# KiCad board mist.kicad_pcb (continued)
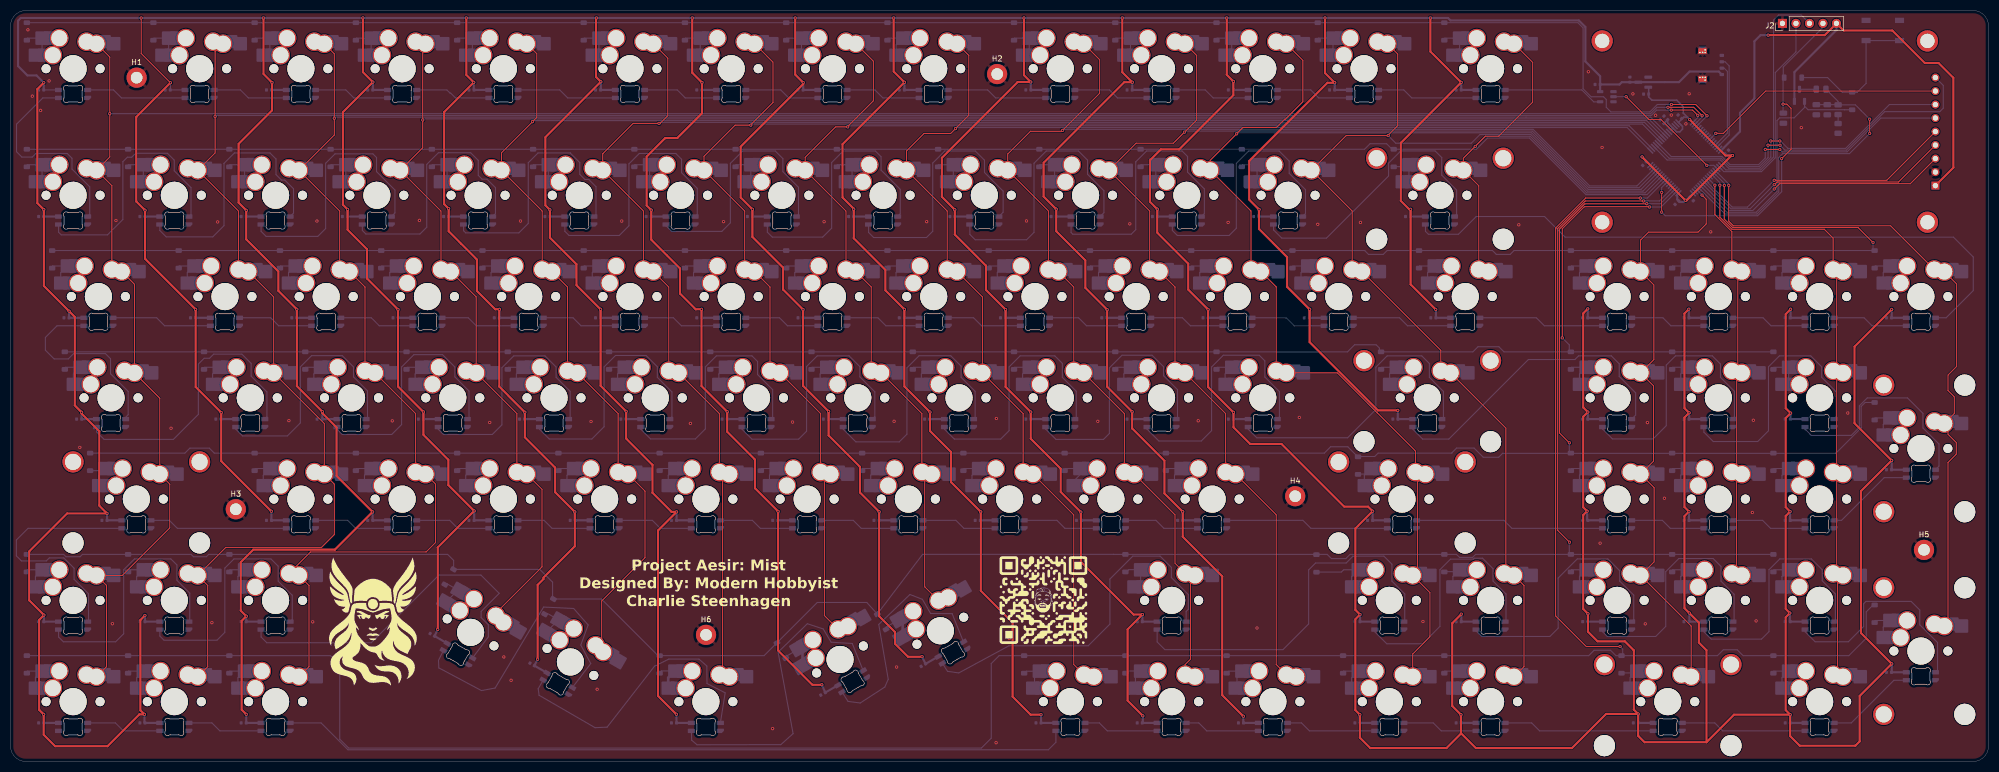
[diagram p0: board, top side]
## Routing (per net, layer and track width the routed paths; a pad name or vN(x,y) marks a point on that pad's centre or on a via; arc(x,y) is an arc through that point) (continued)
GND: length 1
  Bottom w0.2: 238.38,62.82 LED58.4 ; 205.02,100.94 LED25.4 ; 185.95,100.96 LED24.4 ; 21.64,62.86 LED47.4 ; 324.04,62.89 LED61.4 ; 14.5,100.96 LED15.4 ; 52.59,101 LED17.4 ; 52.62,24.74 LED81.4 ; 281.18,24.79 281.17,24.78 ; 147.87,101.03 147.82,100.98 ; 324.05,24.8 LED91.4 ; 86.27,18.06 86.16,18.17 ; 85.94,62.86 LED50.4 ; 133.54,5.73 LED84.4 ; 262.18,24.73 LED88.4 ; 71.66,100.95 LED18.4 ; 343.1,62.87 LED62.4 ; 224.03,100.99 LED26.4 ; 14.48,24.78 LED79.4 ; 90.71,100.95 LED19.4 ; 343.09,24.78 LED92.4 ; 161.11,15.96 161.04,15.96 ; 305.01,62.86 LED60.4
  vias: v1(3.26,137.61) v1(4.09,125.13) v1(5.65,122.46) v1(7.24,128) v1(13.02,59.06) v1(19.15,25.89) v1(19.82,101.75) v1(30.18,62.66) v1(37.87,26.1) v1(38.95,101.47) v1(52.36,64.1) v1(56.84,26.25) v1(57.63,101.64) v1(71.81,64.05) v1(76.9,101.76) v1(90.15,63.75) v1(92.8,19.64) v1(94.16,15.25) v1(95.94,101.64) v1(109.2,63.93) v1(110.35,13.57) v1(114.98,101.64) v1(127.9,63.57) v1(134.14,101.52) v1(143.37,6.15) v1(147.12,63.82) v1(153.05,101.52) v1(166.22,63.97) v1(166.7,17.75) v1(172.36,101.52) v1(185.46,64.5) v1(185.41,3.52) v1(187.89,23.12) v1(191.13,101.66) v1(204.55,63.97) v1(210.58,101.11) v1(223.45,64.07) v1(229.07,101.38) v1(234.51,25.08) v1(242.46,64.7) v1(245.94,101.03) v1(253.97,101.38) v1(265.73,26.31) v1(283.76,100.93) v1(296.85,129.72) v1(299.06,41.05) v1(299.43,115.48) v1(305.23,125.56) v1(307.56,25.87) v1(307.96,63.72) v1(309.5,121.54) v1(311.16,49.5) v1(312.46,121.58) v1(315.2,119.92) v1(315.82,125.58) v1(319.87,99.6) v1(327.7,46.82) v1(327.89,64.17) v1(328.41,26.42) v1(336.91,119.21) v1(345.66,65.53)
BOOT0: length 62.1
  Top w0.2: v1(349.78,118.13) v1(349.78,120.8)
  Bottom w0.2: v1(349.78,120.8) 347.08,123.5 R8.2 ; R7.2 343.84,124.14 R8.2 ; R8.2 343.81,123.53 C120.2 C121.2 ; U5.61 322.54,102.96 328.57,102.96 332.67,107.07 332.67,113.58 333.41,114.32 345.97,114.32 v1(349.78,118.13)
BOOT0_CHRG: length 48.7
  Bottom w0.2: U5.60 322.92,103.29 328.43,103.29 332.34,107.2 332.34,120.53 332.86,121.05 335.56,121.05 337.52,123.01 Q3.1 337.52,123.24 338.19,122.57 345.02,122.57 345.03,122.57 346.31,122.57
col0: length 438.7
  Top w0.2: CH29.1 23.3,89.75 CH47.1 28.06,68.32 CH63.1 29.94,52.15 29.94,43.91 21.01,34.98 CH79.1 18.03,33.1 18.03,17.81 CH93.1 ; v1(311.82,123.02) 312.22,123.02 312.23,123.03 316.67,123.03 v1(318.25,121.45) ; CH29.1 19.05,108.28 CH15.1 18.66,113.68 v1(18.66,121.84) 18.66,132.49 CH1.1
  Bottom w0.2: v1(311.82,123.02) 309.74,123.02 308.56,121.84 v1(18.66,121.84) ; v1(318.25,121.45) 318.25,121.21 U5.34
col1: length 434.9
  Top w0.2: CH94.1 37.08,17.81 37.08,33.1 CH80.1 40.48,40.25 58.48,40.25 60.9,42.66 60.9,52.15 CH64.1 59.02,63.55 CH48.1 49.49,87.37 CH30.1 ; CH30.1 42.86,103.52 CH16.1 38.47,114.45 v1(38.47,121.31) 38.47,133.5 CH2.1 ; v1(312.45,122.51) 316.45,122.51 v1(317.44,121.52)
  Bottom w0.2: v1(317.44,121.52) 317.44,121.11 U5.33 ; v1(312.45,122.51) 312.44,122.5 309.68,122.5 308.69,121.51 38.67,121.51 v1(38.47,121.31)
col2: length 407.2
  Top w0.2: CH65.1 76.2,65.42 CH49.1 ; CH81.1 56.13,33.1 56.13,17.81 CH95.1 ; CH81.1 56.42,39.4 78.18,39.4 79.95,41.16 79.95,52.15 CH65.1 ; CH31.1 61.91,103.52 CH17.1 60.9,117.82 v1(60.9,120.98) 60.9,133.11 CH3.1 ; CH49.1 66.68,89.23 CH31.1
  Bottom w0.2: U5.26 308.56,121.18 61.1,121.18 v1(60.9,120.98)
col3: length 357.1
  Top w0.2: CH32.1 87.59,87.37 CH50.1 95.25,65.42 CH66.1 ; CH82.1 91.28,27.89 99.98,36.58 99.98,51.17 CH66.1 ; CH32.1 80.96,103.52 CH18.1 77.54,115.41 v1(77.54,120.66) 77.54,134.46 CH4.1
  Bottom w0.2: v1(77.54,120.66) 77.74,120.86 308.18,120.86 U5.25
col4: length 342.4
  Top w0.2: CH33.1 104.78,89.23 CH51.1 ; CH51.1 114.3,65.42 CH67.1 ; CH67.1 119.36,50.84 119.36,38.33 111.21,30.18 111.21,22.98 CH83.1 ; 100.01,92.51 100.01,103.52 CH19.1 92.35,114.46 98.19,120.3 v1(98.19,120.33) 99,121.14 99,133.11 CH5.1
  Bottom w0.2: U5.24 307.8,120.53 98.39,120.53 v1(98.19,120.33)
col5: length 325
  Top w0.2: CH84.1 133.95,16.91 133.95,52.76 CH68.1 ; CH68.1 133.35,65.42 CH52.1 ; CH34.1 123.83,89.23 CH52.1 ; CH34.1 119.06,103.52 CH20.1 111.4,114.28 117.12,120 v1(121.99,120) 122.18,120 123.64,121.46 123.64,132.28 CH6.1
  Bottom w0.2: U5.23 307.42,120.2 122.19,120.2 v1(121.99,120)
col6: length 299.1
  Top w0.2: CH53.1 142.88,89.23 CH35.1 ; CH53.1 152.4,65.42 CH69.1 ; CH7.1 143.43,131.54 143.43,123.93 139.26,119.76 v1(139.26,119.68) 136.31,119.68 130.45,113.82 CH21.1 138.11,103.52 CH35.1 ; CH85.1 153.1,27.44 153.1,52.87 CH69.1
  Bottom w0.2: v1(139.26,119.68) 139.46,119.88 307.04,119.88 U5.22
col7: length 274
  Top w0.2: CH54.1 161.93,89.23 CH36.1 ; CH86.1 171.98,32.84 171.98,52.69 CH70.1 ; CH70.1 171.45,65.42 CH54.1 ; CH8.1 162.33,131.69 162.33,124.27 157.49,119.43 v1(157.49,119.35) 155.23,119.35 149.5,113.62 CH22.1 157.16,103.52 CH36.1
  Bottom w0.2: v1(157.49,119.35) 157.69,119.55 304.54,119.55 U5.18
col8: length 271.5
  Top w0.2: CH71.1 200.03,46.37 200.03,18.22 CH96.1 ; CH71.1 190.5,65.42 CH55.1 182.84,87.37 CH37.1 ; CH37.1 176.21,103.52 CH23.1 168.55,114.81 171.85,118.11 176.86,118.11 v1(177.78,119.02) 177.78,119.04 180.27,121.53 180.27,132.8 CH9.1
  Bottom w0.2: U5.17 304.16,119.22 177.98,119.22 v1(177.78,119.02)
col9: length 258.4
  Top w0.2: CH38.1 200.03,89.23 CH56.1 ; CH56.1 209.55,65.42 CH72.1 ; CH72.1 219.08,46.37 219.08,37.27 CH87.1 ; 195.26,92.51 195.26,103.52 CH24.1 187.6,114.24 191.89,118.53 197.75,118.53 v1(197.92,118.69) 197.92,118.7 204.9,125.68 204.9,131.98 CH10.1 ; CH97.1 220.98,18.22 221.99,19.23 221.99,33.93 220.94,34.98
  Bottom w0.2: U5.14 305.99,108.24 297.09,108.24 286.43,118.89 198.12,118.89 v1(197.92,118.69)
col10: length 235.4
  Top w0.2: CH11.1 223.15,132.78 223.15,120.63 220.89,118.37 v1(220.86,118.37) 218.77,116.28 211.75,116.28 CH25.1 214.31,103.52 CH39.1 ; CH57.1 228.6,65.42 CH73.1 ; CH39.1 219.08,89.23 CH57.1 ; CH73.1 238.13,46.37 238.13,18.22 CH98.1
  Bottom w0.2: v1(220.86,118.37) 221.06,118.57 286.3,118.57 296.95,107.92 306.38,107.92 309.55,111.09 U5.13
col11: length 239
  Top w0.2: CH58.1 249.6,73.08 257.09,65.59 257.1,65.59 264.32,58.37 CH74.1 ; CH40.1 238.13,89.23 CH58.1 ; CH12.1 243.13,131.85 243.13,124.08 239.85,120.8 239.71,120.8 238.14,119.23 231.84,119.23 v1(230.65,118.04) 230.65,118.02 225.7,113.07 CH26.1 233.36,103.52 233.36,92.51 ; CH74.1 264.69,52.53 264.69,35.86 CH88.1 267.04,31.74 267.04,23.43 263.8,20.19 CH99.1
  Bottom w0.2: 309.91,110.75 U5.12 306.75,107.59 296.82,107.59 286.16,118.24 230.85,118.24 v1(230.65,118.04)
col12: length 203.4
  Top w0.2: 252.41,92.51 252.41,103.52 CH27.1 251.29,117.71 v1(259.18,117.71) 259.18,117.79 260.98,119.59 260.98,133.05 CH13.1 ; CH59.1 281.33,62.7 281.33,35.7 CH89.1 ; CH59.1 269.08,77.33 CH41.1 ; CH89.1 284.73,33.1 284.73,17.81 CH100.1
  Bottom w0.2: U5.11 307.13,107.26 296.68,107.26 286.03,117.91 276.45,117.91 274.82,116.28 260.61,116.28 v1(259.18,117.71)
col13: length 93.5
  Top w0.2: CH42.1 276.23,108.28 CH28.1 273.33,113.45 v1(275.56,115.68) 277.48,117.6 279.97,117.6 286.37,124 286.37,131.48 CH14.1
  Bottom w0.2: U5.10 307.51,106.93 296.54,106.93 285.89,117.59 277.47,117.59 v1(275.56,115.68)
col14: length 113.1
  Top w0.2: CH101.1 316.19,25.45 CH90.1 309.22,37.53 309.22,51.48 CH75.1 309.11,56.47 309.11,70.64 CH60.1 309.17,75.58 309.17,89.63 CH43.1 306.67,98.04 308.17,99.55 317.48,99.55 319.02,101.09 319.02,105.73 v1(318.23,106.52)
  Bottom w0.2: v1(318.23,106.52) 318.23,106.56 U5.62
col15: length 78.4
  Top w0.2: CH91.1 324.71,35.99 324.71,53.02 CH76.1 324.76,54.99 324.76,72.12 CH61.1 324.97,73.83 324.97,91.38 CH44.1 ; v1(320.66,108.38) 320.65,108.37 320.65,102.84 323.85,99.64 CH44.1
  Bottom w0.2: v1(320.66,108.38) U5.56
col16: length 117.5
  Top w0.2: CH45.1 342.9,98.42 341.24,100.09 323.87,100.09 321.59,102.37 v1(321.59,108.38) ; CH102.1 343.74,16.96 343.74,33.95 CH92.1 343.57,36.18 343.57,52.83 CH77.1 343.57,55.23 343.57,71.88 CH62.1 343.57,74.28 343.57,90.93 CH45.1
  Bottom w0.2: U5.54 321.59,108.86 v1(321.59,108.38)
col17: length 124.4
  Top w0.2: v1(323.26,108.36) 323.26,108.36 323.26,101.62 324.14,100.74 353.72,100.74 CH46.1 ; CH103.1 364.51,26.15 364.51,56.23 366.07,57.79 366.07,59.98 364.51,61.53 364.51,62.86 CH78.1 365.7,65.43 365.7,68.57 364.52,69.74 364.52,72.67 366.14,74.29 366.14,89.81 CH46.1
  Bottom w0.2: U5.52 323.26,108.6 v1(323.26,108.36)
D+: length 17.9
  Bottom w0.2: J1.3 322.57,131.6 323.34,130.83 323.34,117.81 U5.46
D-: length 16.1
  Bottom w0.2: J1.2 322.4,130.4 323.01,129.79 323.01,118.19 U5.45
DOut1: length 39.2
  Bottom w0.2: LED15.3 14.88,102.89 14.88,108.07 11.55,111.41 11.55,113.44 10.64,114.35 4.75,114.35 4.07,113.67 2.12,113.67 1.11,114.68 1.11,119.86 6.05,124.8 LED1.2
DOut2: length 124.7
  Bottom w0.2: LED28.2 266.2,99.71 266.76,99.15 272.4,99.15 275.74,102.48 288.61,102.48 292.49,98.6 365.54,98.6 369.27,94.88 369.27,88.56 364.15,83.43 LED46.3
DOut3: length 36.9
  Bottom w0.2: 21.62,64.71 22.12,65.21 22.12,69.59 18.8,72.91 18.8,75.74 17.83,76.71 11.86,76.71 10.85,75.7 8.19,75.7 6.54,77.35 6.54,79.75 8.73,81.93 LED29.2
DOut4: length 41.7
  Bottom w0.2: LED78.3 362.82,55.54 362.82,59.7 359.8,62.72 359.8,65.45 356.89,68.37 349.33,68.37 347.84,66.88 347.84,62.85 346.31,61.32 338.79,61.32 337.64,62.47
  Bottom w0.4: LED62.2 337.64,62.47
DOut5: length 47.3
  Bottom w0.2: LED63.2 3.28,43.83 1.08,41.64 1.08,38.66 2.03,37.71 6.71,37.71 7.27,38.27 10.01,38.27 11.94,36.34 11.94,34.24 14.66,31.52 14.66,26.47 LED79.3
DOut6: length 42.3
  Bottom w0.2: LED92.2 337.64,24.37 339.51,22.5 345.77,22.5 348.64,25.37 348.64,29.65 349.08,30.09 357.58,30.09 359.21,28.46 359.21,25.68 362.55,22.35 362.55,17.17 LED103.3
LCD_BL_PWM: length 46.2
  Top w0.2: U4.8 330.2,126.09 322.25,118.14 v1(320.83,118.14)
  Bottom w0.2: v1(320.83,118.14) U5.42
LCD_CS: length 50
  Top w0.2: v1(331.82,107.66) 331.84,107.66 332.83,108.65 357.41,108.65 U4.3
  Bottom w0.2: U5.59 323.3,103.62 327.78,103.62 v1(331.82,107.66)
LCD_DC: length 51.2
  Top w0.2: U4.5 352.98,109.3 v1(331.82,109.3)
  Bottom w0.2: U5.57 318.99,109.18 323.9,104.27 326.78,104.27 v1(331.82,109.3)
LCD_MISO: length 68.8
  Top w0.2: v1(330.65,115.9) v1(332.91,115.9)
  Bottom w0.2: U5.20 312.05,113.44 321.84,113.44 323.38,111.91 329,111.91 330.66,113.56 330.66,115.89 v1(330.65,115.9) ; v1(332.91,115.9) 333.84,114.97 345.38,114.97 352.62,122.22 362.97,122.22 363.63,122.88 363.63,127.14 U4.9
LCD_MOSI: length 58.9
  Top w0.2: v1(330.13,115.11) 332.86,115.11 v1(332.87,115.1)
  Bottom w0.2: v1(330.13,115.11) 330.13,115.1 330.13,113.5 328.87,112.24 323.51,112.24 321.98,113.77 312.43,113.77 U5.21 ; v1(332.87,115.1) 333.32,114.65 345.52,114.65 351.88,121.01 U4.6
LCD_RST: length 50.6
  Top w0.2: U4.4 355.2,108.98 332.36,108.98 331.86,108.48 v1(331.82,108.48)
  Bottom w0.2: U5.58 323.68,103.94 327.29,103.94 331.82,108.47 v1(331.82,108.48)
LCD_SCK: length 62.5
  Top w0.2: v1(331.16,116.7) v1(332.87,116.7) ; 362.15,123.54 U4.7
  Bottom w0.2: v1(332.87,116.7) 332.99,116.7 334.39,115.3 345.24,115.3 353.49,123.55 U4.7 ; v1(331.16,116.7) 331.18,116.68 331.18,113.62 329.14,111.58 323.24,111.58 321.71,113.12 311.67,113.12 U5.19
NRST: length 69.2
  Top w0.2: v1(310.64,103.32) 310.64,107.01 v1(310.65,107.02) ; v1(333.22,113.38) 334.99,115.15 334.99,122.84 334.2,123.63 v1(333.48,123.63) 333.42,123.57
  Bottom w0.2: J2.4 340.99,138.07 333.52,130.6 333.52,128.62 333.48,128.58 v1(333.48,123.63) 333.48,122 C130.2 ; v1(310.64,103.32) 311.32,102.64 328.7,102.64 333.22,107.15 v1(333.22,113.38) ; v1(310.65,107.02) 310.65,107.95 U5.7 ; U5.7 311.67,108.98 ; U5.7 311.68,108.98
RGB3.3: length 25.2
  Top w0.2: v1(319.14,112.12) 310.53,120.72 308.25,120.72 v1(303.95,125.03)
  Bottom w0.2: v1(303.95,125.03) U6.2 ; U5.51 320.45,112.12 v1(319.14,112.12)
RGB5v: length 18.8
  Bottom w0.2: U6.4 299.04,124.06 297.87,124.06 295.63,126.3 281.17,126.3
row0: length 335.1
  Top w0.2: v1(312.47,123.56) 317.04,123.56 v1(319.17,121.44)
  Bottom w0.2: v1(312.47,123.56) 309.82,123.56 308.42,122.16 301.09,122.16 300.22,123.04 300.22,124.5 299.71,125.01 297.38,125.01 295.86,126.53 295.86,137.97 294.88,138.95 2.75,138.95 ; v1(319.17,121.44) 319.17,121.42 U5.35
row1: length 315.6
  Bottom w0.2: U5.9 307.89,106.61 296.41,106.61 285.76,117.26 277.89,117.26 275.78,115.15 260.58,115.15 260.56,115.17 259.89,115.17 258.88,116.18 255.77,116.18 254.73,115.13 2.75,115.13
row2: length 385
  Top w0.2: v1(322.43,108.34) 322.42,108.32 322.42,102 324,100.42 347.6,100.42 v1(350.41,97.61)
  Bottom w0.2: v1(350.41,97.61) 350.41,96.08 282.86,96.08 282.14,95.37 279.53,95.37 278.81,96.08 258.98,96.08 258.25,95.36 255.49,95.36 254.78,96.07 254.78,96.08 7.51,96.08 ; v1(322.43,108.34) 322.43,108.72 U5.53
row3: length 371.9
  Top w0.2: v1(308.36,104.28) 308.31,104.33 296.09,104.33 291.95,100.19 v1(291.95,79.66)
  Bottom w0.2: U5.2 310.51,104.28 v1(308.36,104.28) ; 293.26,77.03 293.26,78.34 v1(291.95,79.66) ; 331.36,77.03 280.97,77.03 280.01,78 276.08,78 275.12,77.03 257.54,77.03 257.54,77.73 256.92,78.36 252.86,78.36 251.54,77.03 9.89,77.03
row4: length 413.1
  Top w0.2: v1(307.84,104.9) 307.82,104.88 296.18,104.88 291.42,100.12 291.42,61.77 v1(293.28,59.92)
  Bottom w0.2: 293.26,57.98 293.26,59.9 v1(293.28,59.92) ; U5.3 310.42,104.9 v1(307.84,104.9) ; 350.41,67.51 348.93,67.51 348.17,66.74 348.17,62.71 343.4,57.95 280.71,57.95 279.97,57.21 277.07,57.21 275.34,58.94 272.06,58.94 271.17,58.05 271.17,57.98 257.29,57.98 256.64,57.34 256.63,57.35 253.27,57.35 253.27,57.5 251.59,59.18 248.36,59.18 247.17,57.98 38.32,57.98 37.39,58.92 33.72,58.92 32.79,57.98 15.15,57.98
row5: length 438.9
  Top w0.2: v1(307.23,105.42) 296.25,105.42 291.08,100.24 291.08,43.45 v1(293.3,41.23)
  Bottom w0.2: 2.75,38.93 9.98,38.93 10.43,38.49 13.06,38.49 13.51,38.93 33.96,38.93 34.4,38.5 36.83,38.5 37.27,38.93 82.22,38.93 83.35,37.81 83.35,36.13 D84.1 99.56,36.11 101.97,33.71 101.97,30.69 D85.1 111.15,30.55 121.81,19.88 141.76,19.88 151.76,29.89 161.09,29.89 D88.1 171.59,38.95 207.52,38.95 207.54,38.93 247.71,38.93 248.51,38.14 251.22,38.14 252.02,38.93 272.04,38.93 272.61,38.37 275.06,38.37 275.63,38.93 331.36,38.93 ; v1(307.23,105.42) 307.61,105.42 307.62,105.42 308.06,105.42 308.06,105.42 310.23,105.42 U5.4 ; v1(293.3,41.23) 293.26,41.19 293.26,38.93
row6: length 500.8
  Top w0.2: v1(302.82,21.6) 296.46,21.6 290.69,27.37 290.69,100.31 296.35,105.98 306.61,105.98 v1(306.63,105.96)
  Bottom w0.2: 303.31,19.94 303.31,21.11 v1(302.82,21.6) 302.79,21.56 ; 2.75,19.88 60.17,19.88 61.93,18.13 61.93,4.18 63.6,2.51 182.65,2.51 184.5,4.36 184.5,18.4 185.99,19.88 296.92,19.88 297.93,20.9 301.03,20.9 302.04,19.88 321.14,19.88 322.24,20.99 324.87,20.99 325.97,19.88 345.86,19.88 349.13,23.16 349.13,28.13 350.41,29.41 ; U5.8 307.95,105.96 v1(306.63,105.96)
SWCLK: length 38.9
  Bottom w0.2: J2.2 335.91,133.46 332.02,129.56 332.02,113.53 329.41,110.93 322.35,110.93 U5.50
SWD: length 44.8
  Bottom w0.2: J2.3 336.87,140.4 332.65,140.4 331.69,139.44 331.69,113.67 329.28,111.26 322.73,111.26 U5.49
Net-(D1-A): length 7.1
  Bottom w0.2: 2.75,135.65 3.14,136.04 5.92,136.04 5.92,134.09 CH1.2
Net-(D2-A): length 7.1
  Bottom w0.2: 26.56,135.65 26.96,136.04 29.73,136.04 29.73,134.09 CH2.2
Net-(D3-A): length 7.1
  Bottom w0.2: 45.61,135.65 46.01,136.04 48.78,136.04 48.78,134.09 CH3.2
Net-(D4-A): length 7.1
  Bottom w0.2: 64.66,135.65 65.06,136.04 67.83,136.04 67.83,134.09 CH4.2
Net-(D5-A): length 7.1
  Bottom w0.2: CH5.2 86.88,134.09 86.88,136.04 84.11,136.04 83.71,135.65
Net-(D6-A): length 7.1
  Bottom w0.2: CH6.2 110.69,134.09 110.69,136.04 107.92,136.04 107.52,135.65
Net-(D7-A): length 7.1
  Bottom w0.2: CH7.2 129.74,134.09 129.74,136.04 126.97,136.04 126.57,135.65
Net-(D8-A): length 7.1
  Bottom w0.2: 145.62,135.65 146.02,136.04 148.79,136.04 148.79,134.09 CH8.2
Net-(D9-A): length 7.1
  Bottom w0.2: CH9.2 166.59,134.79 167.84,136.04 167.84,136.04 165.07,136.04 164.67,135.65
Net-(D10-A): length 7.1
  Bottom w0.2: 188.49,135.65 188.88,136.04 191.65,136.04 191.65,134.09 CH10.2
Net-(D11-A): length 7.1
  Bottom w0.2: 207.54,135.65 207.93,136.04 210.7,136.04 210.7,134.09 CH11.2
Net-(D12-A): length 7.1
  Bottom w0.2: CH12.2 229.75,134.09 229.75,136.04 226.98,136.04 226.59,135.65
Net-(D13-A): length 7.1
  Bottom w0.2: CH13.2 248.8,134.09 248.8,136.04 246.03,136.04 245.64,135.65
Net-(D14-A): length 7.1
  Bottom w0.2: CH14.2 272.62,134.09 272.62,136.04 269.84,136.04 269.45,135.65
Net-(D15-A): length 7.1
  Bottom w0.2: CH15.2 5.92,110.28 CH15.2 3.14,112.23 2.75,111.83
Net-(D16-A): length 7.1
  Bottom w0.2: 21.8,111.83 22.19,112.23 CH16.2 24.97,110.28 CH16.2
Net-(D17-A): length 7.1
  Bottom w0.2: CH17.2 44.02,110.28 CH17.2 41.24,112.23 40.85,111.83
Net-(D18-A): length 7.1
  Bottom w0.2: 59.9,111.83 60.29,112.23 CH18.2 63.07,110.28 CH18.2
Net-(D19-A): length 7.1
  Bottom w0.2: 78.95,111.83 79.34,112.23 CH19.2 82.12,110.28 CH19.2
Net-(D20-A): length 7.1
  Bottom w0.2: CH20.2 101.17,110.28 CH20.2 98.39,112.23 98,111.83
Net-(D21-A): length 7.1
  Bottom w0.2: 117.05,111.83 117.44,112.23 CH21.2 120.22,110.28 CH21.2
Net-(D22-A): length 7.1
  Bottom w0.2: CH22.2 139.27,110.28 CH22.2 136.49,112.23 136.1,111.83
Net-(D23-A): length 7.1
  Bottom w0.2: CH23.2 158.32,110.28 CH23.2 155.54,112.23 155.15,111.83
Net-(D24-A): length 7.1
  Bottom w0.2: 174.2,111.83 174.59,112.23 CH24.2 177.37,110.28 CH24.2
Net-(D25-A): length 7.1
  Bottom w0.2: CH25.2 196.42,110.28 CH25.2 193.64,112.23 193.25,111.83
Net-(D26-A): length 7.1
  Bottom w0.2: 212.3,111.83 212.69,112.23 CH26.2 215.47,110.28 CH26.2
Net-(D27-A): length 7.1
  Bottom w0.2: CH27.2 234.52,110.28 CH27.2 231.74,112.23 231.35,111.83
Net-(D28-A): length 6.4
  Bottom w0.2: 260.56,111.87 262.73,111.87 CH28.2 263.09,110.28 CH28.2
Net-(D29-A): length 7.1
  Bottom w0.2: 7.51,92.78 7.91,93.18 CH29.2 9.43,91.93 CH29.2
Net-(D30-A): length 7.1
  Bottom w0.2: 31.32,92.78 31.72,93.18 CH30.2 33.24,91.93 CH30.2
Net-(D31-A): length 7.1
  Bottom w0.2: 50.37,92.78 50.77,93.18 CH31.2 52.29,91.93 CH31.2
Net-(D32-A): length 7.1
  Bottom w0.2: CH32.2 71.34,91.93 CH32.2 69.82,93.18 69.42,92.78
Net-(D33-A): length 7.1
  Bottom w0.2: CH33.2 90.39,91.93 CH33.2 88.87,93.18 88.47,92.78
Net-(D34-A): length 7.1
  Bottom w0.2: 107.52,92.78 107.92,93.18 CH34.2 109.44,91.93 CH34.2
Net-(D35-A): length 7.1
  Bottom w0.2: CH35.2 128.49,91.93 CH35.2 126.97,93.18 126.57,92.78
Net-(D36-A): length 7.1
  Bottom w0.2: 145.62,92.78 146.02,93.18 CH36.2 147.54,91.93 CH36.2
Net-(D37-A): length 7.1
  Bottom w0.2: 164.67,92.78 165.07,93.18 CH37.2 166.59,91.93 CH37.2
Net-(D38-A): length 7.1
  Bottom w0.2: CH38.2 185.64,91.93 CH38.2 184.12,93.18 183.72,92.78
Net-(D39-A): length 7.1
  Bottom w0.2: 202.77,92.78 203.17,93.18 CH39.2 204.69,91.93 CH39.2
Net-(D40-K): length 28.5
  Bottom w0.2: 355.4,135.58 349.1,135.58 349.1,127.53 347.44,125.87 344.62,125.87 341.87,128.62 336.82,128.62
Net-(D42-A): length 7.1
  Bottom w0.2: CH40.2 223.74,91.93 CH40.2 222.22,93.18 221.82,92.78
Net-(D43-A): length 7.1
  Bottom w0.2: 240.87,92.78 241.27,93.18 CH41.2 242.79,91.93 CH41.2
Net-(D44-A): length 7.1
  Bottom w0.2: 264.69,92.78 265.08,93.18 267.85,93.18 266.6,91.93 CH42.2
Net-(D45-A): length 7.1
  Bottom w0.2: 293.26,92.78 293.66,93.18 CH43.2 295.18,91.93 CH43.2
Net-(D46-A): length 7.1
  Bottom w0.2: CH44.2 314.23,91.93 CH44.2 312.71,93.18 312.31,92.78
Net-(D47-A): length 7.1
  Bottom w0.2: CH45.2 333.28,91.93 CH45.2 331.76,93.18 331.36,92.78
Net-(D48-A): length 7.1
  Bottom w0.2: 350.41,92.78 350.81,93.18 CH46.2 352.33,91.93 CH46.2
Net-(D49-A): length 7.1
  Bottom w0.2: 9.89,73.73 10.29,74.13 CH47.2 11.81,72.88 CH47.2
Net-(D50-A): length 7.1
  Bottom w0.2: 36.09,73.73 36.48,74.13 CH48.2 38,72.88 CH48.2
Net-(D51-A): length 7.1
  Bottom w0.2: 55.14,73.73 55.53,74.13 CH49.2 57.05,72.88 CH49.2
Net-(D52-A): length 7.1
  Bottom w0.2: 74.19,73.73 74.58,74.13 CH50.2 76.1,72.88 CH50.2
Net-(D53-A): length 7.1
  Bottom w0.2: CH51.2 95.15,72.88 CH51.2 93.63,74.13 93.24,73.73
Net-(D54-A): length 7.1
  Bottom w0.2: CH52.2 114.2,72.88 CH52.2 112.68,74.13 112.29,73.73
Net-(D55-A): length 7.1
  Bottom w0.2: 131.34,73.73 131.73,74.13 CH53.2 133.25,72.88 CH53.2
Net-(D56-A): length 7.1
  Bottom w0.2: 150.39,73.73 150.78,74.13 CH54.2 152.3,72.88 CH54.2
Net-(D57-A): length 7.1
  Bottom w0.2: CH55.2 171.35,72.88 172.6,74.13 169.83,74.13 169.44,73.73
Net-(D58-A): length 7.1
  Bottom w0.2: 188.49,73.73 188.88,74.13 CH56.2 190.4,72.88 CH56.2
Net-(D59-A): length 7.1
  Bottom w0.2: CH57.2 209.45,72.88 210.7,74.13 207.93,74.13 207.54,73.73
Net-(D60-A): length 7.1
  Bottom w0.2: CH58.2 228.5,72.88 CH58.2 226.98,74.13 226.59,73.73
Net-(D61-A): length 7.1
  Bottom w0.2: 257.54,73.73 257.94,74.13 CH59.2 259.46,72.88 CH59.2
Net-(D62-A): length 7.1
  Bottom w0.2: 293.26,73.73 293.66,74.13 CH60.2 295.18,72.88 CH60.2
Net-(D63-A): length 7.1
  Bottom w0.2: 312.31,73.73 312.71,74.13 CH61.2 314.23,72.88 CH61.2
Net-(D64-A): length 7.1
  Bottom w0.2: CH62.2 334.53,72.18 CH62.2 331.76,74.13 331.36,73.73
Net-(D65-A): length 6.6
  Bottom w0.2: CH63.2 16.57,53.83 CH63.2 17.43,54.68 15.15,54.68
Net-(D66-A): length 7.1
  Bottom w0.2: 45.61,54.68 46.01,55.08 CH64.2 47.53,53.83 CH64.2
Net-(D67-A): length 7.1
  Bottom w0.2: CH65.2 66.58,53.83 CH65.2 65.06,55.08 64.66,54.68
Net-(D68-A): length 7.1
  Bottom w0.2: CH66.2 85.63,53.83 CH66.2 84.11,55.08 83.71,54.68
Net-(D69-A): length 7.1
  Bottom w0.2: CH67.2 104.68,53.83 CH67.2 103.16,55.08 102.76,54.68
Net-(D70-A): length 7.1
  Bottom w0.2: 121.81,54.68 122.21,55.08 CH68.2 123.73,53.83 CH68.2
Net-(D71-A): length 7.1
  Bottom w0.2: 140.86,54.68 141.26,55.08 CH69.2 142.78,53.83 CH69.2
Net-(D72-A): length 7.1
  Bottom w0.2: 159.91,54.68 160.31,55.08 CH70.2 161.83,53.83 CH70.2
Net-(D73-A): length 7.1
  Bottom w0.2: CH71.2 180.88,53.83 CH71.2 179.36,55.08 178.96,54.68
Net-(D74-A): length 7.6
  Bottom w0.2: 202.37,55.09 199.93,52.64 CH72.2 ; CH72.2 198.41,55.08 198.01,54.68
Net-(D75-A): length 7.1
  Bottom w0.2: CH73.2 218.98,53.83 CH73.2 217.46,55.08 217.06,54.68
Net-(D76-A): length 6.8
  Bottom w0.2: 253.27,54.05 254.91,54.05 CH74.2 254.69,53.83 CH74.2
Net-(D77-A): length 7.1
  Bottom w0.2: 293.26,54.68 293.66,55.08 CH75.2 295.18,53.83 CH75.2
Net-(D78-A): length 7.1
  Bottom w0.2: CH76.2 314.23,53.83 CH76.2 312.71,55.08 312.31,54.68
Net-(D79-A): length 7.1
  Bottom w0.2: CH77.2 333.28,53.83 CH77.2 331.76,55.08 331.36,54.68
Net-(D80-A): length 7.1
  Bottom w0.2: 350.41,64.21 350.81,64.6 CH78.2 352.33,63.35 CH78.2
Net-(D81-A): length 7.1
  Bottom w0.2: 2.75,35.63 3.14,36.03 CH79.2 4.66,34.78 CH79.2
Net-(D82-A): length 7.1
  Bottom w0.2: 21.8,35.63 22.19,36.03 CH80.2 23.71,34.78 CH80.2
Net-(D83-A): length 7.1
  Bottom w0.2: 40.85,35.63 41.24,36.03 CH81.2 42.76,34.78 CH81.2
Net-(D84-A): length 6.9
  Bottom w0.2: 84.53,32 82.13,33.39 81.59,33.24 ; 84.45,31.97 83.91,31.97 81.76,29.82
Net-(D85-A): length 6.9
  Bottom w0.2: 100.48,27.67 101.02,27.81 103.42,26.43 102.88,26.43 100.73,24.28
Net-(D86-A): length 7.1
  Bottom w0.2: 125.25,17.01 122.47,17.01 122.08,16.62
  Bottom w0.5: CH84.2 123.73,15.73 CH84.2
Net-(D87-A): length 6.9
  Bottom w0.2: 148.47,21.24 146.07,19.85 145.93,19.31
  Bottom w0.5: 148.99,17.84 148.99,20.72 148.47,21.24
Net-(D88-A): length 6.9
  Bottom w0.2: 164.77,24.83 164.91,25.37 167.31,26.76
  Bottom w0.5: 167.83,23.36 167.83,26.24 167.31,26.76
Net-(D89-A): length 7.1
  Bottom w0.2: 213.16,36.06 210.38,36.06 209.99,35.67 ; CH87.2 212.61,34.08 CH87.2
Net-(D90-A): length 11.8
  Bottom w0.2: CH88.2 252.31,34.78 CH88.2 250.79,36.03 250.37,35.61 245.62,35.61
Net-(D91-A): length 6.5
  Bottom w0.2: CH89.2 271.36,34.78 CH89.2 272.27,35.68 269.96,35.68
Net-(D92-A): length 7.1
  Bottom w0.2: 293.26,35.63 293.66,36.03 CH90.2 295.18,34.78 CH90.2
Net-(D93-A): length 7.1
  Bottom w0.2: 312.31,35.63 312.71,36.03 CH91.2 314.23,34.78 CH91.2
Net-(D94-A): length 7.1
  Bottom w0.2: 331.36,35.63 331.76,36.03 CH92.2 333.28,34.78 CH92.2
Net-(D95-A): length 7.1
  Bottom w0.2: 2.75,16.58 3.14,16.98 CH93.2 4.66,15.73 CH93.2
Net-(D96-A): length 7.1
  Bottom w0.2: 21.8,16.58 22.19,16.98 CH94.2 23.71,15.73 CH94.2
Net-(D97-A): length 7.1
  Bottom w0.2: CH95.2 42.76,15.73 CH95.2 41.24,16.98 40.85,16.58
Net-(D98-A): length 7.1
  Bottom w0.2: 190.73,16.56 191.13,16.96 193.9,16.96 192.65,15.71 192.65,13.75
Net-(D99-A): length 7.1
  Bottom w0.2: 211.63,13.79 211.63,15.74 212.88,16.99 210.11,16.99 209.72,16.6
Net-(D100-A): length 7.1
  Bottom w0.2: 228.82,16.58 229.22,16.97 231.99,16.97 230.74,15.72 230.74,13.77
Net-(D101-A): length 7.1
  Bottom w0.2: CH99.2 252.31,15.73 CH99.2 250.79,16.98 250.4,16.58
Net-(D102-A): length 7.1
  Bottom w0.2: CH100.2 271.36,15.73 CH100.2 269.84,16.98 269.45,16.58
Net-(D103-A): length 6.5
  Bottom w0.2: 303.31,16.64 305.61,16.64 CH101.2 304.7,15.73 CH101.2
Net-(D104-A): length 7.1
  Bottom w0.2: 331.36,16.58 331.76,16.98 CH102.2 333.28,15.73 CH102.2
Net-(D105-A): length 7.1
  Bottom w0.2: 350.41,26.11 350.81,26.5 CH103.2 352.33,25.25 CH103.2
Net-(LED1-DIN): length 19
  Bottom w0.2: LED1.3 19.36,126.3 20.86,124.8 LED2.2
Net-(LED2-DIN): length 14.2
  Bottom w0.2: LED3.2 44.74,124.8 43.24,126.3 LED2.3
Net-(LED3-DIN): length 14.2
  Bottom w0.2: LED4.2 64.57,124.8 63.07,126.3 LED3.3
Net-(LED4-DIN): length 14.2
  Bottom w0.2: LED5.2 83.7,124.8 82.8,125.7 82.68,125.7 82.08,126.3 LED4.3
Net-(LED5-DIN): length 19
  Bottom w0.2: LED6.2 104.81,124.8 103.31,126.3 LED5.3
Net-(LED6-DIN): length 14.2
  Bottom w0.2: LED6.3 125.43,126.3 126.93,124.8 LED7.2
Net-(LED7-DIN): length 14.2
  Bottom w0.2: LED7.3 144.9,126.3 146.4,124.8 LED8.2
Net-(LED8-DIN): length 14.2
  Bottom w0.2: LED9.2 164.13,124.8 162.63,126.3 LED8.3
Net-(LED10-DIN): length 14.2
  Bottom w0.2: LED11.2 208.26,124.8 206.76,126.3 LED10.3
Net-(LED10-DOUT): length 19
  Bottom w0.2: LED10.2 185.33,124.8 183.83,126.3 LED9.3
Net-(LED11-DIN): length 14.2
  Bottom w0.2: LED11.3 224.77,126.3 226.27,124.8 LED12.2
Net-(LED12-DIN): length 14.2
  Bottom w0.2: LED13.2 246.12,124.8 244.62,126.3 LED12.3
Net-(LED13-DIN): length 19
  Bottom w0.2: LED13.3 262.13,126.3 263.63,124.8 LED14.2
Net-(LED15-DOUT): length 48.8
  Bottom w0.2: LED15.2 9.02,99.53 9.52,99.04 18.22,99.04 21.12,101.94 21.12,112.8 21.97,113.65 22.78,113.65 23.52,114.39 29.5,114.39 30.78,113.11 30.78,111.09 33.93,107.93 33.93,102.89 LED16.3
Net-(LED16-DOUT): length 50.2
  Bottom w0.2: LED17.3 53.23,103.14 53.23,107.7 51.58,109.35 50.96,109.35 49.93,110.38 49.93,113.32 48.8,114.45 42.1,114.45 40.14,112.49 40.14,100.77 38.04,98.67 29.27,98.67 28.07,99.86 LED16.2
Net-(LED17-DOUT): length 50.1
  Bottom w0.2: LED18.3 72.31,103.17 72.31,107.47 68.85,110.93 68.85,113.58 68.15,114.28 61.04,114.28 59.27,112.51 59.27,100.23 57.79,98.75 48.07,98.75 47.12,99.69 LED17.2
Net-(LED18-DOUT): length 49.7
  Bottom w0.2: LED19.3 91.22,103.03 91.22,107.92 89.62,109.51 88.7,109.51 87.99,110.23 87.99,113.05 86.55,114.49 80.49,114.49 78.3,112.3 78.3,100.49 77.01,99.2 66.84,99.2 66.17,99.86 LED18.2
Net-(LED19-DOUT): length 48.9
  Bottom w0.2: LED20.3 110.13,102.89 110.13,108.1 108.78,109.46 108.05,109.46 107.09,110.42 107.09,112.64 105.33,114.4 105.33,114.45 99.23,114.45 97.39,112.61 97.39,101.19 95.62,99.42 85.62,99.42 85.22,99.81 LED19.2
Net-(LED20-DOUT): length 49.4
  Bottom w0.2: LED21.3 129.18,102.89 129.18,107.78 126.24,110.73 126.24,113.26 125.15,114.35 118.28,114.35 116.33,112.4 116.33,100.75 114.51,98.93 105.05,98.93 104.27,99.7 LED20.2
Net-(LED21-DOUT): length 48.3
  Bottom w0.2: LED21.2 123.32,100.74 124.37,99.69 133.81,99.69 135.42,101.3 135.42,112.5 137.73,114.81 143.87,114.81 145.3,113.38 145.3,110.93 148.23,107.99 148.23,102.89 147.82,102.48
Net-(LED22-DOUT): length 50.6
  Bottom w0.2: LED22.2 142.37,99.55 143.31,98.62 152.79,98.62 154.48,100.31 154.48,112.65 156.64,114.81 162.7,114.81 163.77,113.74 163.77,111.22 167.38,107.61 167.38,102.99 LED23.3
Net-(LED23-DOUT): length 51.1
  Bottom w0.2: LED24.3 186.74,103.3 186.74,107.27 183.23,110.78 183.23,113.09 181.51,114.81 175.75,114.81 173.49,112.55 173.49,99.71 172.32,98.54 162.38,98.54 161.42,99.49 LED23.2
Net-(LED24-DOUT): length 51.8
  Bottom w0.2: 180.47,100.98 180.47,99.13 181.49,98.12 191.15,98.12 192.55,99.52 192.55,112.51 194.85,114.81 200.91,114.81 202.62,113.1 202.62,110.44 205.7,107.36 205.7,103.21 LED25.3
Net-(LED25-DOUT): length 50.8
  Bottom w0.2: LED26.3 224.6,103.06 224.6,107.69 221.44,110.85 221.44,113.78 220.41,114.81 213.71,114.81 211.66,112.76 211.69,112.73 211.69,100.01 210.84,99.16 199.84,99.16 199.52,99.47 LED25.2
Net-(LED26-DOUT): length 50.5
  Bottom w0.2: 243.48,102.89 LED27.3 243.63,103.04 243.63,107.54 240.56,110.61 240.56,112.93 238.68,114.81 232.96,114.81 230.61,112.46 230.61,100.28 229.26,98.93 219.51,98.93 218.57,99.86 LED26.2
Net-(LED27-DOUT): length 54.4
  Bottom w0.2: 237.62,100.98 237.62,99.96 239.16,98.43 247.57,98.43 259.26,110.12 259.26,112.54 261.54,114.82 268.02,114.82 269.27,113.57 269.27,110.25 272.06,107.46 272.06,102.89 LED28.3
Net-(LED29-DIN): length 19
  Bottom w0.2: LED29.3 27.48,83.43 28.98,81.93 LED30.2
Net-(LED30-DIN): length 14.2
  Bottom w0.2: LED30.3 48.93,83.43 50.43,81.93 LED31.2
Net-(LED31-DIN): length 14.2
  Bottom w0.2: LED32.2 69.36,81.93 67.86,83.43 LED31.3
Net-(LED32-DIN): length 14.2
  Bottom w0.2: LED33.2 87.61,81.93 86.11,83.43 LED32.3
Net-(LED33-DIN): length 14.2
  Bottom w0.2: LED34.2 107.32,81.93 105.82,83.43 LED33.3
Net-(LED34-DIN): length 14.2
  Bottom w0.2: LED35.2 126.21,81.93 124.71,83.43 LED34.3
Net-(LED35-DIN): length 14.2
  Bottom w0.2: LED35.3 144.66,83.43 146.16,81.93 LED36.2
Net-(LED36-DIN): length 14.2
  Bottom w0.2: LED36.3 163.18,83.43 164.68,81.93 LED37.2
Net-(LED37-DIN): length 14.2
  Bottom w0.2: LED38.2 182.68,81.93 181.18,83.43 LED37.3
Net-(LED38-DIN): length 14.2
  Bottom w0.2: LED39.2 202.43,81.93 200.93,83.43 LED38.3
Net-(LED39-DIN): length 14.2
  Bottom w0.2: LED40.2 221.98,81.93 220.48,83.43 LED39.3
Net-(LED40-DIN): length 14.2
  Bottom w0.2: LED41.2 241.5,81.93 240,83.43 LED40.3
Net-(LED41-DIN): length 19
  Bottom w0.2: LED41.3 261.32,83.43 262.82,81.93 LED42.2
Net-(LED42-DIN): length 23.7
  Bottom w0.2: LED42.3 287.07,83.43 288.57,81.93 LED43.2
Net-(LED43-DIN): length 14.2
  Bottom w0.2: LED44.2 312.38,81.93 310.88,83.43 LED43.3
Net-(LED44-DIN): length 14.2
  Bottom w0.2: LED44.3 329.72,83.43 331.22,81.93 LED45.2
Net-(LED45-DIN): length 14.2
  Bottom w0.2: LED45.3 348.73,83.43 350.23,81.93 LED46.2
Net-(LED47-DOUT): length 55.4
  Bottom w0.2: LED47.2 16.17,61.98 17.58,60.57 30.62,60.57 35.32,65.27 35.32,74.73 36.42,75.83 37.43,75.83 38.21,76.61 43.5,76.61 45.25,74.86 45.25,72.47 48.22,69.5 48.22,64.79 LED48.3
Net-(LED48-DOUT): length 47.4
  Bottom w0.2: LED48.2 42.36,62.49 43.64,61.22 52.07,61.22 54.51,63.66 54.51,74.19 56.63,76.32 62.39,76.32 64.51,74.2 64.51,72.33 67.15,69.69 67.15,64.67 LED49.3
Net-(LED49-DOUT): length 47.6
  Bottom w0.2: LED50.3 86.25,64.72 86.25,69.66 83.58,72.33 83.58,74.19 81.25,76.51 75.87,76.51 73.56,74.19 73.56,63.35 71.7,61.49 62.39,61.49 61.41,62.47 LED49.2
Net-(LED50-DOUT): length 47.3
  Bottom w0.2: LED50.2 80.46,62.47 81.44,61.49 90.62,61.49 92.43,63.3 92.43,74.04 94.67,76.28 100.54,76.28 102.63,74.19 102.63,72.24 105.27,69.6 105.27,64.69 LED51.3
Net-(LED51-DOUT): length 48.5
  Bottom w0.2: LED51.2 99.51,62.47 101.35,60.64 109.35,60.64 111.66,62.95 111.66,74.19 113.81,76.35 119.56,76.35 121.68,74.23 121.68,72.24 124.42,69.5 124.42,64.79 LED52.3
Net-(LED52-DOUT): length 49
  Bottom w0.2: LED53.3 143.37,64.69 143.37,69.93 140.54,72.76 140.54,75.22 139.48,76.28 132.79,76.28 130.71,74.19 130.71,62.53 128.83,60.65 120.41,60.65 118.56,62.49 LED52.2
Net-(LED53-DOUT): length 49.1
  Bottom w0.2: LED53.2 137.61,62.47 139.48,60.61 148.26,60.61 149.76,62.11 149.76,74.28 151.76,76.28 157.76,76.28 159.78,74.26 159.78,72.34 162.6,69.52 162.6,64.87 LED54.3
Net-(LED54-DOUT): length 49.6
  Bottom w0.2: LED55.3 181.47,64.69 181.47,69.6 178.83,72.24 178.83,74.36 176.88,76.3 170.91,76.3 168.64,74.02 168.64,61.55 167.19,60.1 159.04,60.1 156.66,62.47 LED54.2
Net-(LED55-DOUT): length 49.1
  Bottom w0.2: LED56.3 200.5,64.67 200.5,69.62 197.88,72.24 197.88,74.86 196.46,76.28 189.94,76.28 187.86,74.19 187.86,62.21 186.28,60.63 177.56,60.63 175.71,62.47 LED55.2
Net-(LED56-DOUT): length 49.1
  Bottom w0.2: LED56.2 194.76,62.47 196.67,60.57 205.62,60.57 206.73,61.68 206.73,74.02 209.11,76.4 214.76,76.4 216.93,74.23 216.93,72.54 219.55,69.92 219.55,64.67 LED57.3
Net-(LED57-DOUT): length 49.9
  Bottom w0.2: LED58.3 238.72,64.79 238.72,69.56 235.98,72.3 235.98,75.34 234.92,76.4 228.16,76.4 225.96,74.19 225.96,62.21 224.02,60.27 216.04,60.27 213.81,62.49 LED57.2
Net-(LED58-DOUT): length 58.5
  Bottom w0.2: LED59.3 269.58,64.7 269.58,69.6 266.93,72.24 266.93,74.84 265.5,76.28 259,76.28 256.87,74.15 256.87,66.19 251.55,60.87 234.47,60.87 232.86,62.47 LED58.2
Net-(LED59-DOUT): length 59.1
  Bottom w0.2: LED60.3 305.75,65.15 305.75,69.31 302.65,72.4 302.65,74.79 301.17,76.28 295,76.28 294.31,75.59 285.56,75.59 270.6,60.63 265.66,60.63 263.82,62.47 LED59.2
Net-(LED60-DOUT): length 48.7
  Bottom w0.2: LED60.2 299.54,62.49 301.37,60.66 309.02,60.66 311.51,63.14 311.51,74.54 313.24,76.28 320.17,76.28 321.7,74.74 321.7,72.24 324.34,69.61 324.34,64.69
  Bottom w0.4: 324.34,64.69 LED61.3
Net-(LED61-DOUT): length 49.6
  Bottom w0.2: LED62.3 343.48,64.78 343.48,69.52 340.75,72.24 340.75,74.21 338.69,76.28 332.8,76.28 330.73,74.21 330.73,62.18 328.71,60.16 320.35,60.16 318.59,61.92 LED61.2
Net-(LED63-DIN): length 26.1
  Bottom w0.2: LED64.2 31.37,43.83 29.87,45.33 LED63.3
Net-(LED64-DIN): length 14.2
  Bottom w0.2: LED65.2 64.9,43.83 63.4,45.33 LED64.3
Net-(LED65-DIN): length 14.2
  Bottom w0.2: LED65.3 82.62,45.33 84.12,43.83 LED66.2
Net-(LED66-DIN): length 14.2
  Bottom w0.2: LED67.2 101.86,43.83 100.36,45.33 LED66.3
Net-(LED67-DIN): length 14.2
  Bottom w0.2: LED68.2 122.23,43.83 120.73,45.33 LED67.3
Net-(LED68-DIN): length 14.2
  Bottom w0.2: LED69.2 141.06,43.83 139.56,45.33 LED68.3
Net-(LED69-DIN): length 14.2
  Bottom w0.2: LED70.2 160.04,43.83 158.54,45.33 LED69.3
Net-(LED70-DIN): length 14.2
  Bottom w0.2: LED70.3 177.85,45.33 179.35,43.83 LED71.2
Net-(LED71-DIN): length 14.2
  Bottom w0.2: LED71.3 196.86,45.33 198.36,43.83 LED72.2
Net-(LED72-DIN): length 14.2
  Bottom w0.2: LED72.3 215.49,45.33 216.99,43.83 LED73.2
Net-(LED73-DIN): length 30.9
  Bottom w0.2: LED73.3 243.14,45.33 244.64,43.83 LED74.2
Net-(LED74-DIN): length 35.7
  Bottom w0.2: LED75.2 282.45,43.83 280.95,45.33 LED74.3
Net-(LED75-DIN): length 14.2
  Bottom w0.2: LED76.2 312.26,43.83 310.76,45.33 LED75.3
Net-(LED76-DIN): length 14.2
  Bottom w0.2: LED76.3 329.63,45.33 331.13,43.83 LED77.2
Net-(LED77-DIN): length 16.9
  Bottom w0.2: LED78.2 352.5,53.36 344.48,45.33 LED77.3
Net-(LED79-DOUT): length 49.8
  Bottom w0.2: LED80.3 33.71,26.47 33.71,31.64 31.29,34.06 31.29,36.94 30.15,38.08 23.3,38.08 21.27,36.05 21.27,24 19.76,22.49 9.93,22.49 9.02,23.39 LED79.2
Net-(LED80-DOUT): length 49.5
  Bottom w0.2: LED81.3 52.98,26.69 52.98,31.26 50.34,33.9 50.34,36.72 48.98,38.08 42.02,38.08 40.3,36.36 40.3,24.27 38.82,22.79 28.86,22.79 28.07,23.57 LED80.2
Net-(LED81-DOUT): length 68.4
  Bottom w0.2: LED82.3 89.88,23.43 89.88,25.7 88.53,27.05 88.53,28.22 91.92,31.61 88.48,35.05 80.58,35.05 67.85,22.32 48.2,22.32 47.12,23.39 LED81.2
Net-(LED82-DOUT): length 56.4
  Bottom w0.2: LED82.2 80.5,19 80.57,17.58 88.58,13.32 91.16,13.8 100.28,29.03 105.93,28.76 108.66,25.66 107.28,21.88 109.15,18.4 LED83.3
Net-(LED83-DOUT): length 55.6
  Bottom w0.2: LED83.2 99.26,13.67 99.43,12.43 109.96,6.34 112.23,6.44 121.14,17.9 123.83,19.24 129.51,19.24 130.99,17.94 131.02,14.65 134.44,12.89 LED84.3
Net-(LED84-DOUT): length 60.7
  Bottom w0.2: LED84.2 128.14,3.98 129.15,3.12 144.91,3.15 147.22,5.22 144.4,20.54 149.9,25.89 152.89,24.91 154.38,22.42 158.35,22.18 LED85.3
Net-(LED85-DOUT): length 45.5
  Bottom w0.2: LED85.2 157.55,11.29 159.85,10.98 164.48,13.99 165.12,15.44 163.34,25.76 169.2,31.39 171.54,30.49 173.09,27.82 177.14,27.79 LED86.3
Net-(LED86-DOUT): length 69.7
  Bottom w0.2: LED86.2 176.28,16.94 178.39,16.64 187.82,21.74 202.75,21.74 206.83,25.82 206.83,34.3 211.14,38.61 216.27,38.61 218.39,36.49 218.39,34.57 221.58,31.38 221.58,28.61 221.17,28.19 LED87.3
Net-(LED87-DOUT): length 72.8
  Bottom w0.2: LED88.3 262.31,26.47 262.31,31.48 259.89,33.9 259.89,37.09 258.37,38.61 252.58,38.61 251.29,37.32 245.52,37.32 244.22,36.02 244.22,25.85 239.39,21.02 217.17,21.02 215.72,22.47 LED87.2
Net-(LED88-DOUT): length 48.4
  Bottom w0.2: 281.17,26.28 281.36,26.47 281.36,31.48 278.91,33.93 278.91,36.24 276.94,38.22 275.37,38.22 275.2,38.04 270.91,38.04 268.92,36.05 268.92,25.39 265.65,22.12 258.93,22.12 256.67,24.37 LED88.2
Net-(LED89-DOUT): length 51
  Bottom w0.2: LED89.2 275.72,24.54 276.77,23.49 289.6,23.49 291.17,25.06 291.17,34.49 294.76,38.08 300.52,38.08 302.75,35.84 302.75,33.91 305.4,31.27 305.4,26.69 LED90.3
Net-(LED90-DOUT): length 47.3
  Bottom w0.2: LED90.2 299.54,24.37 300.42,23.49 309.51,23.49 311.41,25.38 311.41,35.69 313.87,38.16 320.32,38.16 321.8,36.67 321.8,33.9 324.27,31.43 324.27,26.52 LED91.3
Net-(LED91-DOUT): length 48
  Bottom w0.2: LED91.2 318.59,24.37 319.96,23 329.43,23 330.83,24.4 330.83,36.05 332.86,38.08 338.82,38.08 340.85,36.04 340.85,33.97 343.33,31.5 343.33,26.53 LED92.3
Net-(LED93-DIN): length 14.2
  Bottom w0.2: LED93.3 19.71,7.23 21.21,5.73 LED94.2
Net-(LED94-DIN): length 14.2
  Bottom w0.2: LED94.3 37.87,7.23 39.37,5.73 LED95.2
Net-(LED95-DIN): length 148.9
  Bottom w0.2: LED95.3 58.41,7.23 63.46,2.18 195.25,2.18 196.67,3.59 LED96.2
Net-(LED96-DIN): length 14.2
  Bottom w0.2: LED96.3 204.84,7.23 206.34,5.73 LED97.2
Net-(LED97-DIN): length 14.2
  Bottom w0.2: LED97.3 223.55,7.23 225.05,5.73 LED98.2
Net-(LED98-DIN): length 17.1
  Bottom w0.2: LED99.2 244.37,5.73 242.87,7.23 LED98.3
Net-(LED100-DIN): length 28.5
  Bottom w0.2: 281.17,7.23 286.17,7.23 287.67,5.73 LED101.2
Net-(LED100-DOUT): length 14.2
  Bottom w0.2: LED100.2 269.17,5.73 267.67,7.23 LED99.3
Net-(LED101-DIN): length 23.7
  Bottom w0.2: LED102.2 322.13,5.73 320.63,7.23 LED101.3
Net-(LED102-DIN): length 16.9
  Bottom w0.2: LED102.3 346.32,7.23 354.34,15.26 LED103.2
Net-(Q3-C): length 3.2
  Bottom w0.2: R7.1 Q3.3
Net-(R8-Pad1): length 1.7
  Bottom w0.2: R8.1 R9.1
unconnected-(U5-PA9-Pad43): length 0
  Bottom w0.2: U5.43 320.05,116.61
unconnected-(U5-PA10-Pad44): length 0.1
  Bottom w0.2: U5.44 320.41,116.22

## Copper pours and planes (outline as drawn; the poured copper is in the pictures)
GND on Top: -8.98,147.84 377.3,147.46 378.78,-6.62 -3.96,-14.51
GND on Bottom: -6.83,147.84 377.3,147.21 377.71,-6.26 -3.25,-12.36

## Text on the board
B.Silkscreen: GND | SWCLK | SWD | NRST | +3v3
F.Silkscreen: Project Aesir: Mist / Designed By: Modern Hobbyist / Charlie Steenhagen
